# Altium PCB MOTHER_BOARD_LS1021_v1.0.PcbDoc (part 13 of 15) (continued)
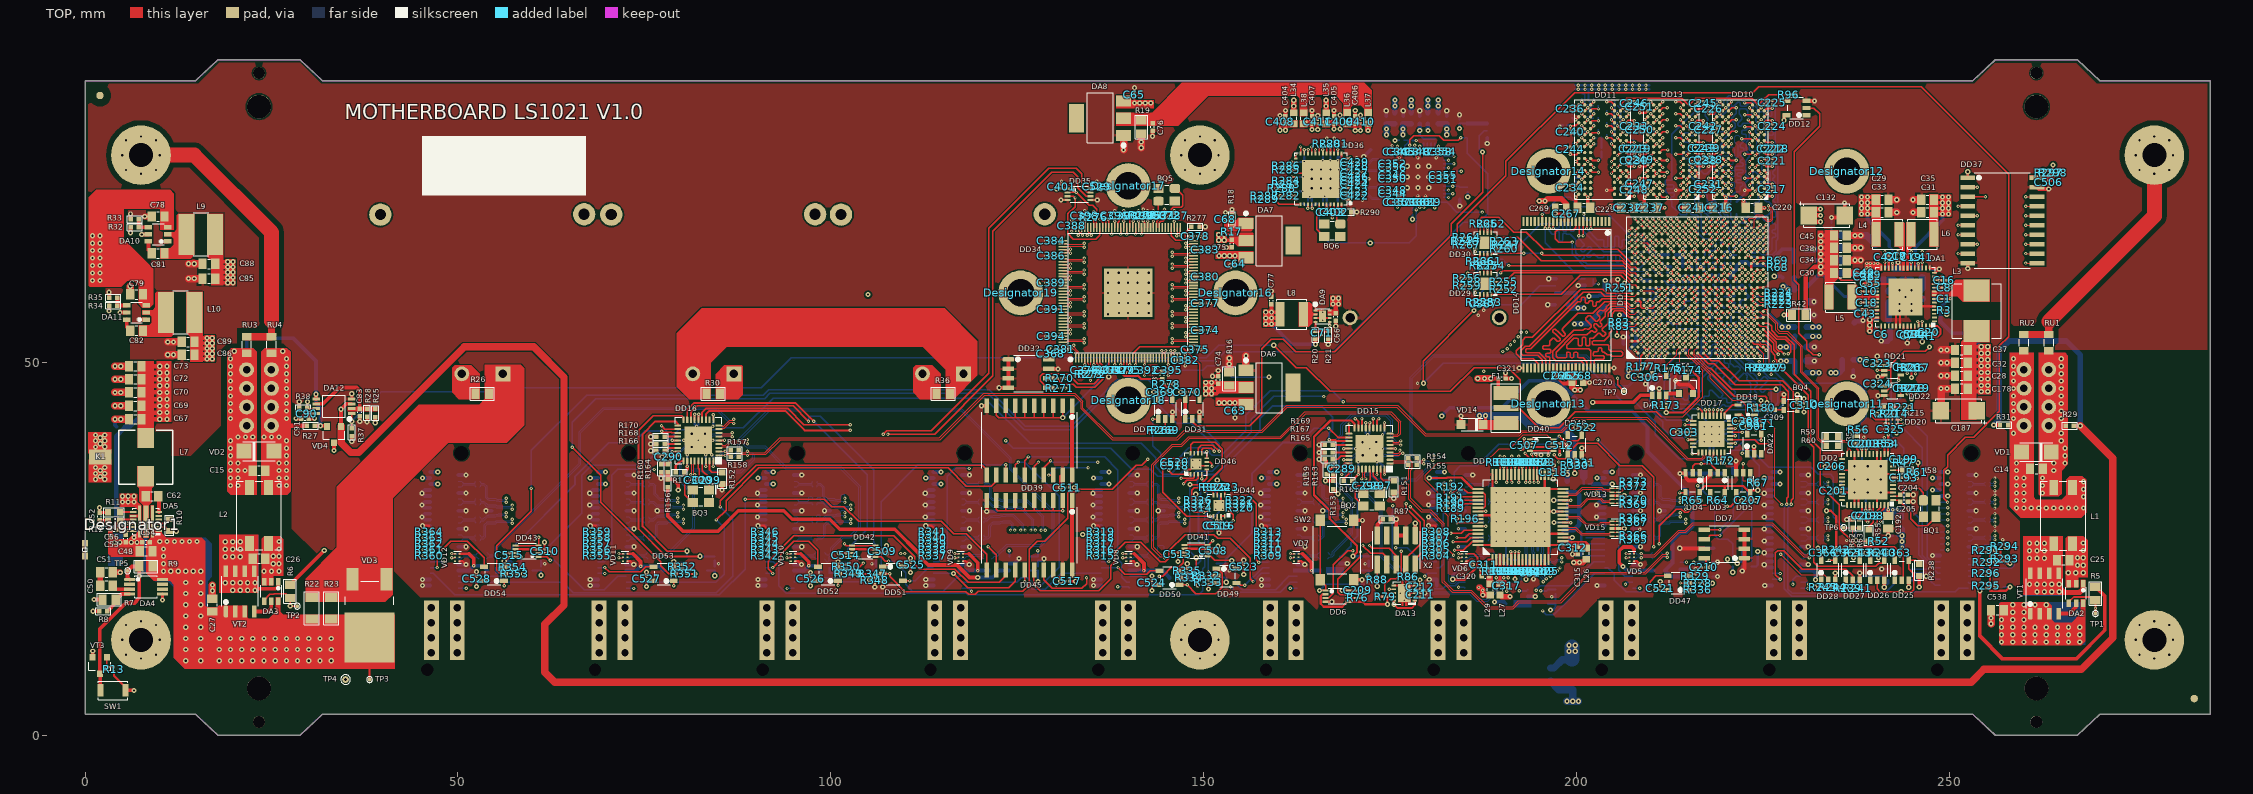
[diagram p0: TOP view]
## Nets (pads, with @x,y where several pads share a name; then routed paths per layer and width w, separated by ;. In a path a pad name is that pad's centre, name@x,y a point inside that pad or via, vN(x,y) a via of type N, cw(c..) or ccw(c..) an arc to the next point about the centre after c; other vN are vias at no path point) (continued)
PHY7_TXRX_D_P: C500.2 DD34.64 VD22.1 | length 104.5
  TOP w0.12: v1(145.775,63.2) 145.845,63.2 146.01,63.035 148.04,63.035 148.13,63.125 DD34.64@148.625,63.125
  SIGNAL2 w0.075: v1(80.25,28.415) 80.166,28.415 80.019,28.562 76.877,28.562 75.57,29.869 75.57,37.006 77.8,39.236 77.8,39.581 80.624,42.405 85.505,42.405 107.53,64.43 127.781,64.43 128.331,63.88 132.681,63.88 133.511,63.05 135.125,63.05 135.127,63.052 145.544,63.052 145.691,63.2 v1(145.775,63.2)
  BOTTOM w0.12: C500.2@75.55,26.1 75.635,26.185 75.635,26.32 75.705,26.39 76.376,26.39 76.596,26.61 ; 76.606,26.619 76.725,26.739 76.725,28.139 76.986,28.4 VD22.1@77.5,28.4 78.06,28.4 78.2,28.54 78.835,28.54 78.875,28.58 80.015,28.58 80.18,28.415 v1(80.25,28.415)
PHY8_TXRX_A_N: C485.2 DD34.66 VD23.6 | length 129.9
  TOP w0.12: v1(147.6,64) 147.67,64 147.835,63.835 148.04,63.835 148.13,63.925 DD34.66@148.625,63.925
  SIGNAL2 w0.075: v1(56.5,31.235) 56.416,31.235 56.269,31.382 55.968,31.382 55.645,31.705 55.645,32.445 60.039,36.839 60.114,36.914 66.303,36.914 88.845,59.456 88.845,59.613 88.371,60.088 88.371,60.457 88.84,60.926 89.209,60.926 90.421,59.714 90.579,59.714 90.898,60.033 90.898,60.191 89.686,61.403 89.686,61.772 90.155,62.241 90.524,62.241 91.736,61.029 91.894,61.029 92.214,61.349 92.214,61.506 91.001,62.719 91.001,63.087 91.47,63.557 91.839,63.557 93.052,62.344 93.209,62.344 93.529,62.664 93.529,62.821 92.316,64.034 92.316,64.403 92.786,64.872 93.154,64.872 94.367,63.659 94.524,63.659 94.844,63.979 94.844,64.136 94.369,64.611 94.369,64.98 94.994,65.605 130.905,65.605 131.117,65.817 132.768,65.817 133.861,64.725 134.45,64.725 135.323,63.852 147.369,63.852 147.516,64 v1(147.6,64)
  BOTTOM w0.12: C485.2@52.95,33.3 53.035,33.385 53.035,33.52 53.105,33.59 53.4,33.59 53.7,33.29 53.7,31.864 53.984,31.58 54.119,31.58 54.159,31.54 55.034,31.54 55.134,31.44 55.435,31.44 VD23.6@55.475,31.4 56.265,31.4 56.43,31.235 v1(56.5,31.235)
PHY8_TXRX_A_P: C501.2 DD34.65 VD23.5 | length 129.9
  TOP w0.12: v1(147.6,63.45) 147.67,63.45 147.835,63.615 148.04,63.615 148.13,63.525 DD34.65@148.625,63.525
  SIGNAL2 w0.075: v1(56.5,31.785) 56.416,31.785 56.269,31.637 56.073,31.637 55.9,31.811 55.9,32.339 56.38,32.819 56.512,32.952 56.724,33.164 56.83,33.164 56.936,33.058 57.042,33.058 57.201,33.217 57.201,33.323 57.096,33.429 57.096,33.535 57.255,33.694 57.361,33.694 57.466,33.589 57.572,33.589 57.731,33.748 57.731,33.854 57.626,33.959 57.626,34.065 59.668,36.107 60.22,36.659 66.409,36.659 89.1,59.35 89.1,59.719 88.626,60.194 88.626,60.351 88.945,60.671 89.103,60.671 90.316,59.459 90.684,59.459 91.153,59.928 91.153,60.296 89.941,61.509 89.941,61.667 90.261,61.986 90.418,61.986 91.631,60.774 91.999,60.774 92.469,61.243 92.469,61.612 91.256,62.824 91.256,62.982 91.576,63.302 91.733,63.302 92.946,62.089 93.315,62.089 93.784,62.558 93.784,62.927 92.571,64.14 92.571,64.297 92.891,64.617 93.049,64.617 94.261,63.404 94.63,63.404 95.099,63.873 95.099,64.242 94.624,64.717 94.624,64.874 95.1,65.35 131.011,65.35 131.223,65.562 132.663,65.562 133.755,64.47 134.344,64.47 135.217,63.597 147.369,63.597 147.516,63.45 v1(147.6,63.45)
  BOTTOM w0.12: C501.2@52.95,34.1 53.035,34.015 53.035,33.88 53.105,33.81 53.491,33.81 53.92,33.381 53.92,31.955 54.075,31.8 VD23.5@54.525,31.8 55.085,31.8 55.225,31.66 55.86,31.66 55.9,31.62 56.265,31.62 56.43,31.785 v1(56.5,31.785)
PHY8_TXRX_B_N: C486.2 DD34.67 VD23.4 | length 129.9
  TOP w0.12: v1(145.775,64.25) 145.845,64.25 146.01,64.415 148.04,64.415 148.13,64.325 DD34.67@148.625,64.325
  SIGNAL2 w0.075: v1(57.275,30.885) 57.191,30.885 57.044,30.737 55.838,30.737 55.075,31.501 55.075,33.064 55.424,33.413 55.556,33.546 55.768,33.758 55.875,33.758 55.98,33.652 56.086,33.652 56.245,33.812 56.245,33.918 56.14,34.023 56.14,34.129 56.299,34.288 56.405,34.288 56.51,34.183 56.616,34.183 56.775,34.342 56.775,34.448 56.67,34.553 56.67,34.659 57.643,35.632 60.555,38.545 61.611,39.6 65.6,39.6 81.313,55.313 81.313,55.682 80.823,56.173 80.823,56.33 81.143,56.65 81.3,56.65 82.544,55.406 82.913,55.406 83.382,55.875 83.382,56.244 82.138,57.488 82.138,57.645 82.458,57.965 82.615,57.965 83.86,56.721 84.228,56.721 84.697,57.19 84.697,57.559 83.453,58.803 83.453,58.961 83.773,59.28 83.931,59.28 85.175,58.036 85.543,58.036 86.013,58.505 86.013,58.874 85.522,59.365 85.522,59.522 92.675,66.675 128.461,66.675 128.651,66.865 131.71,66.865 132.205,66.37 134.269,66.37 136.242,64.397 145.544,64.397 145.691,64.25 v1(145.775,64.25)
  BOTTOM w0.12: C486.2@52.95,31.7 53.035,31.615 53.035,31.48 53.105,31.41 53.465,31.41 53.975,30.9 VD23.4@54.525,30.9 55.085,30.9 55.225,30.76 55.86,30.76 55.9,30.72 57.04,30.72 57.205,30.885 v1(57.275,30.885)
PHY8_TXRX_B_P: C502.2 DD34.68 VD23.7 | length 129.9
  TOP w0.12: v1(145.775,64.8) 145.845,64.8 146.01,64.635 148.04,64.635 148.13,64.725 DD34.68@148.625,64.725
  SIGNAL2 w0.075: v1(57.275,30.335) 57.191,30.335 57.044,30.482 55.733,30.482 54.82,31.395 54.82,33.17 55.243,33.593 55.376,33.726 55.588,33.938 55.959,34.309 56.119,34.469 56.49,34.84 57.462,35.812 60.375,38.725 61.505,39.855 65.494,39.855 81.058,55.419 81.058,55.576 80.568,56.067 80.568,56.436 81.037,56.905 81.406,56.905 82.65,55.661 82.807,55.661 83.127,55.981 83.127,56.138 81.883,57.382 81.883,57.751 82.352,58.22 82.721,58.22 83.965,56.976 84.123,56.976 84.442,57.296 84.442,57.453 83.198,58.697 83.198,59.066 83.668,59.535 84.036,59.535 85.28,58.291 85.438,58.291 85.758,58.611 85.758,58.768 85.267,59.259 85.267,59.628 92.569,66.93 128.355,66.93 128.545,67.12 131.816,67.12 132.311,66.625 134.375,66.625 136.348,64.652 145.544,64.652 145.691,64.8 v1(145.775,64.8)
  BOTTOM w0.12: C502.2@52.95,30.9 53.035,30.985 53.035,31.12 53.105,31.19 53.374,31.19 53.884,30.68 54.119,30.68 54.159,30.64 55.034,30.64 55.134,30.54 55.435,30.54 VD23.7@55.475,30.5 57.04,30.5 57.205,30.335 v1(57.275,30.335)
PHY8_TXRX_C_N: C487.2 DD34.71 VD23.2 | length 129.9
  TOP w0.12: v1(147.6,66) 147.67,66 147.835,65.835 148.04,65.835 148.13,65.925 DD34.71@148.625,65.925
  SIGNAL2 w0.075: v1(56.5,29.315) 56.416,29.315 56.269,29.462 55.702,29.462 53.87,31.294 53.87,33.995 54.162,34.287 54.295,34.42 54.507,34.632 54.878,35.003 55.037,35.162 55.408,35.533 56.275,36.4 61.862,41.987 64.301,41.987 74.816,52.502 75.185,52.502 75.662,52.025 75.819,52.025 76.139,52.345 76.139,52.502 74.922,53.719 74.922,54.088 75.392,54.557 75.76,54.557 76.977,53.34 77.135,53.34 77.454,53.66 77.454,53.818 76.238,55.034 76.238,55.403 76.707,55.872 77.076,55.872 78.292,54.656 78.45,54.656 78.77,54.976 78.77,55.133 78.293,55.61 78.293,55.978 90.194,67.88 131.053,67.88 131.453,68.28 134.67,68.28 137.495,65.455 144.706,65.455 145.104,65.852 147.369,65.852 147.516,66 v1(147.6,66)
  BOTTOM w0.12: C487.2@52.95,28.5 53.035,28.585 53.035,28.72 53.105,28.79 53.482,28.79 53.992,29.3 VD23.2@54.525,29.3 55.085,29.3 55.225,29.44 55.86,29.44 55.9,29.48 56.265,29.48 56.43,29.315 v1(56.5,29.315)
PHY8_TXRX_C_P: C503.2 DD34.70 VD23.8 | length 129.9
  TOP w0.12: v1(147.6,65.45) 147.67,65.45 147.835,65.615 148.04,65.615 148.13,65.525 DD34.70@148.625,65.525
  SIGNAL2 w0.075: v1(56.5,29.865) 56.416,29.865 56.269,29.717 55.808,29.717 54.125,31.4 54.125,33.889 54.343,34.107 54.475,34.239 54.687,34.452 54.793,34.452 54.899,34.346 55.005,34.346 55.164,34.505 55.164,34.611 55.058,34.717 55.058,34.823 55.218,34.982 55.324,34.982 55.429,34.876 55.535,34.876 55.694,35.036 55.694,35.142 55.589,35.247 55.589,35.353 56.455,36.22 61.968,41.732 64.407,41.732 74.922,52.247 75.079,52.247 75.556,51.77 75.925,51.77 76.394,52.239 76.394,52.608 75.177,53.825 75.177,53.982 75.497,54.302 75.655,54.302 76.872,53.085 77.24,53.085 77.709,53.555 77.709,53.923 76.493,55.14 76.493,55.298 76.813,55.617 76.97,55.617 78.187,54.401 78.555,54.401 79.025,54.87 79.025,55.239 78.548,55.715 78.548,55.873 90.3,67.625 131.159,67.625 131.559,68.025 134.564,68.025 137.389,65.2 144.812,65.2 145.209,65.597 147.369,65.597 147.516,65.45 v1(147.6,65.45)
  BOTTOM w0.12: C503.2@52.95,29.3 53.035,29.215 53.035,29.08 53.105,29.01 53.391,29.01 53.901,29.52 54.119,29.52 54.159,29.56 55.034,29.56 55.134,29.66 55.435,29.66 VD23.8@55.475,29.7 56.265,29.7 56.43,29.865 v1(56.5,29.865)
PHY8_TXRX_D_N: C488.2 DD34.73 VD23.9 | length 129.9
  TOP w0.12: DD34.73@146.875,68.075 146.875,67.58 146.785,67.49 146.785,67.21 146.95,67.045 v1(146.95,66.975)
  SIGNAL2 w0.075: v1(57.275,28.965) 57.191,28.965 57.044,28.817 54.058,28.817 53.175,29.7 53.175,34.875 53.362,35.062 53.494,35.194 53.706,35.407 53.813,35.407 53.919,35.3 54.025,35.3 54.184,35.46 54.184,35.566 54.078,35.672 54.078,35.778 55.7,37.4 90.175,71.875 129.339,71.875 131.777,69.437 134.277,69.437 137.789,65.925 144.623,65.925 144.998,66.3 146.575,66.3 146.802,66.527 146.802,66.744 146.95,66.891 v1(146.95,66.975)
  BOTTOM w0.12: C488.2@52.95,26.9 53.035,26.815 53.035,26.68 53.105,26.61 53.391,26.61 53.525,26.744 53.525,28.216 53.764,28.456 ; 53.778,28.469 53.929,28.62 54.119,28.62 54.159,28.66 55.034,28.66 55.134,28.76 55.435,28.76 VD23.9@55.475,28.8 57.04,28.8 57.205,28.965 v1(57.275,28.965)
PHY8_TXRX_D_P: C504.2 DD34.74 VD23.1 | length 129.9
  TOP w0.12: v1(146.4,66.975) 146.4,67.045 146.565,67.21 146.565,67.49 146.475,67.58 DD34.74@146.475,68.075
  SIGNAL2 w0.075: v1(57.275,28.415) 57.191,28.415 57.044,28.562 53.952,28.562 52.92,29.594 52.92,34.981 90.069,72.13 129.445,72.13 131.883,69.692 134.383,69.692 137.895,66.18 144.517,66.18 144.892,66.555 146.469,66.555 146.547,66.633 146.547,66.744 146.4,66.891 v1(146.4,66.975)
  BOTTOM w0.12: C504.2@52.95,26.1 53.035,26.185 53.035,26.32 53.105,26.39 53.482,26.39 53.745,26.653 53.745,28.125 54.02,28.4 VD23.1@54.525,28.4 55.085,28.4 55.225,28.54 55.86,28.54 55.9,28.58 57.04,28.58 57.205,28.415 v1(57.275,28.415)
PHY_RESET: DD4.4 DD17.27 DD24.43 DD33.1 DD36.42 DD44.1 DD46.1 R65.2 R336.2 | length 223.2
  TOP w0.196: v1(143.2,42.4) DD33.1@143.925,42.4 ; v1(145.332,35.527) 145.332,35.482 145.325,35.475 145.8,35 DD46.1@148.25,35 ; DD44.1@153.475,30.05 153.975,29.55 v1(153.975,28.8) ; v1(165.5,70.625) DD36.42@165.5,71.225 ; v1(213.875,32.5) DD4.4@214.625,32.5 214.625,32.15 R65.2@215.275,31.5 ; R336.2@216.55,19.5 217.425,19.5 v1(217.675,19.75) ; DD17.27@220.6,39.65 223.9,39.65 224.475,39.075 v1(225.95,39.075)
  SIGNAL1 w0.113: v1(201.225,32.375) 201.225,30.825 201.725,30.325 201.725,29.3 203.475,27.55 204.925,27.55 207.325,25.15 207.325,24.918 208.322,23.921 208.322,23.667 208.546,23.443 212.968,23.443 213.725,24.2 219.676,24.2 v2(220.269,23.607)
  SIGNAL2 w0.113: v1(143.2,42.4) 143.2,43.275 149.35,49.425 150.816,49.425 154.491,53.1 160.25,53.1 162.35,55.2 172.341,65.191 v2(172.341,66.025) ; v1(145.332,35.527) 145.332,33.718 147.832,31.218 147.832,29.793 149.225,28.4 153.05,28.4 153.45,28.8 v1(153.975,28.8) 154.007,28.768 163.857,28.768 164.675,27.95 169.325,27.95 172.558,31.183 175.892,31.183 176.325,30.75 176.325,30.475 175.025,29.175 175.025,24.733 176.333,23.425 184.375,23.425 186.375,25.425 195.975,25.425 198.4,27.85 198.4,29.55 v1(201.225,32.375) ; v1(217.675,19.75) 217.743,19.818 217.743,21.068 220.998,24.323 220.998,30.727 220.625,31.1 218.95,31.1 217.75,29.9 214.475,29.9 213.275,31.1 213.275,31.9 v1(213.875,32.5) 219.909,32.5 225.95,38.541 v1(225.95,39.075)
  BOTTOM w0.196: v1(143.2,42.4) 143.2,38.85 144.234,37.816 144.234,36.591 145.298,35.527 v1(145.332,35.527) ; v1(165.5,70.625) 165.5,67.35 166.825,66.025 v2(172.341,66.025) 177.575,66.025 178.548,66.998 178.548,70.402 v1(178.5,70.45) DD24.43@178.5,71.475
PORESET_B: DD1.G9 DD3.2 DD4.2 DD6.7 DD12.2 | length 163.1
  TOP w0.196: DD6.7@169.45,18.925 169.45,18.877 168.348,18.877 168.008,19.217 168.008,20.908 171.038,23.938 171.038,24.594 171.033,24.599 v1(171.033,24.626) ; v1(211.85,57.25) DD1.G9@212.25,57.65 ; DD4.2@215.575,35.2 215.575,36.1 215.902,36.427 v1(216.75,36.427) 217.923,36.427 218.925,35.425 DD3.2@218.925,35.2 ; DD12.2@230.85,84.125 231.85,84.125 232.6,83.375 232.6,81.675 229.2,78.275 229.2,61.025 229.825,60.4 229.825,53.95 230.9,52.875 230.9,51.85 231.725,51.025 v1(232.552,51.025)
  GND+PWR1 w0.113: v1(171.033,24.626) 173.86,24.626 179.625,30.391 179.625,35.15 180.35,35.875 180.35,42.439 186.329,48.418 188.046,48.418 193.3,53.673 v1(193.3,54.075) ; v1(211.85,57.25) 212.268,56.831 212.268,56.292 212.529,56.031 212.808,56.031 213.068,55.771 213.068,55.492 213.657,54.903 214.897,54.903 215.431,54.369 215.431,46.6 213.05,44.219 213.05,39.568 216.191,36.427 v1(216.75,36.427)
  SIGNAL2 w0.113: v1(193.3,54.075) 193.325,54.1 203.719,54.1 205.019,55.4 205.6,55.4 206.55,56.35 206.55,56.775 207.406,57.631 211.468,57.631 v1(211.85,57.25) ; v1(216.75,36.427) 216.75,36.775 217.725,37.75 218.5,37.75 220.45,39.7 220.45,42.525 225.075,47.15 227,47.15 230.875,51.025 v1(232.552,51.025)
POWER_OFF: DD1.D7 R13.1 VT3.1 | length 267.9
  TOP w0.196: VT3.1@2.925,10.45 2.925,9.2 v2(2.95,9.175) R13.1@3.875,9.175
  TOP w0.2: v1(209.45,55.65) DD1.D7@209.85,56.05
  SIGNAL1 w0.113: v2(2.95,9.175) 2.006,10.119 2.006,18.534 1.925,18.616 1.925,28.237 3.706,30.018 3.706,38.506 6.3,41.1 6.3,50.35 10.264,54.314 111.864,54.314 124.6,67.05 129.932,67.05 131.167,68.285 143.446,68.285 146.232,71.072 155.053,71.072 156.025,70.1 164.075,70.1 181.8,52.375 v1(191.15,52.375)
  SIGNAL2 w0.113: v1(191.15,52.375) 191.625,51.9 205.491,51.9 206.781,53.19 206.781,54.054 207.996,55.268 208.808,55.268 209.19,55.65 v1(209.45,55.65)
PPS_IN: DD27.2 R239.2 R241.2 X4.3 | length 19.1
  TOP w0.196: v1(227.32,20.905) 226.685,21.54 226.685,24.45 226.986,24.75 227.8,24.75 230.252,22.298 236.135,22.298 237.05,21.383 DD27.2@237.05,20.8 237.05,19.725 ; R239.2@236.7,19.725 237.05,19.725 ; R241.2@237.4,19.725 237.05,19.725
  BOTTOM w0.196: X4.3@226.275,20.9 227.315,20.9 v1(227.32,20.905)
PPS_OUT: DD28.4 R242.2 X4.5 | length 10.3
  TOP w0.196: v1(233.875,23.5) DD28.4@234.7,23.5 ; DD28.4@234.691,23.509 DD28.4@234.7,23.5 ; R242.2@234.85,24.6 234.85,23.65 DD28.4@234.7,23.5
  SIGNAL2 w0.113: v1(227.325,21.7) 232.075,21.7 v1(233.875,23.5)
  BOTTOM w0.196: X4.5@226.275,21.7 v1(227.325,21.7)
PTP_SYNC: DD1.AC5 DD34.21 DD45.2 DD45.3 DD45.4 DD45.5 DD45.6 DD45.7 DD45.8 DD45.9 | length 171.5
  TOP w0.196: DD45.9@122.205,31.475 122.205,30.295 122.4,30.1 123.475,30.1 ; DD45.8@123.475,31.475 123.475,30.1 ; DD45.7@124.745,31.475 124.745,30.1 ; DD45.6@126.015,31.475 126.015,30.1 ; DD45.5@127.285,31.475 127.285,30.1 ; DD45.4@128.555,31.475 128.555,30.1 ; DD45.3@129.825,31.475 129.825,30.1 ; DD45.2@131.095,31.475 131.1,31.47 v1(131.1,30.1) 129.825,30.1 ; v1(140.875,49.675) DD34.21@140.875,50.575 ; DD1.AC5@225.05,54.45 226.777,52.723 226.777,51.848 227.098,51.527 227.462,51.527 v1(227.861,51.127) ; 123.475,30.1 124.745,30.1 ; 124.745,30.1 126.015,30.1 ; 126.015,30.1 127.285,30.1 ; 127.285,30.1 128.555,30.1 ; 128.555,30.1 129.825,30.1
  SIGNAL2 w0.113: v1(140.875,49.675) 140.875,48.45 142.625,46.7 142.625,43.95 140.9,42.225 135.575,42.225 131.395,38.045 131.395,31.595 131.1,31.3 v1(131.1,30.1) 139.625,30.1 142.475,27.25 150.575,27.25 151.25,26.575 153.15,26.575 154.444,25.281 162.381,25.281 162.906,25.806 170.256,25.806 170.993,25.068 172.45,25.068 174.634,22.884 185.166,22.884 186.375,21.675 187.65,21.675 189.375,19.95 194,19.95 197.425,23.375 197.425,23.8 198.818,25.193 199.919,25.193 205.35,30.624 205.35,32.075 207.669,34.393 209.118,34.393 213.45,38.725 217.225,38.725 217.6,39.1 217.6,42.025 218.5,42.925 219.3,42.925 220.9,44.525 220.9,45.5 224.725,49.325 226.171,49.325 226.893,50.047 226.893,50.41 227.19,50.707 227.44,50.707 v1(227.861,51.127)
PVIN: C27.1 C46.1 C48.2 C54.2 C78.1 C79.1 C538.1 DA2.6 DA3.6 DA4.8 DA5.1 DA5.7 DA10.3 DA11.3 R7.1 R9.1 R22.1 R23.1 TP3.1 VD3.K VT1.1 VT1.2 VT1.3 VT2.1 VT2.2 VT2.3 X3.P1 X3.P2 X3.P3 X3.P4 X4.P1 X4.P2 X4.P3 X4.P4 X5.P1 X5.P2 X5.P3 X5.P4 X6.P1 X6.P2 X6.P3 X6.P4 X7.P1 X7.P2 X7.P3 X7.P4 X8.P1 X8.P2 X8.P3 X8.P4 X9.P1 X9.P2 X9.P3 X9.P4 X10.P1 X10.P2 X10.P3 X10.P4 X11.P1 X11.P2 X11.P3 X11.P4 X12.P1 X12.P2 X12.P3 X12.P4 | length 6.8
  TOP w0.3: TP3.1@38.15,7.475 VD3.K@38.15,13.1
  TOP w0.5: v2(1.2,18.2) R7.1@2.325,18.2
  other v2: 13.5,10 15.5,10 18,10 19.5,10 21,10 22.5,10 24,10 25.5,10 27,10 28.5,10 30,10 31.5,10 33,10 13.5,11.5 15.5,11.5 18,11.5 19.5,11.5 21,11.5 22.5,11.5 24,11.5 25.5,11.5 27,11.5 28.5,11.5 30,11.5 31.5,11.5 33,11.5 257,12.5 258.5,12.5 260,12.5 261.5,12.5 263,12.5 264.5,12.5 266,12.5 267.5,12.5 13.5,13 15.5,13 18,13 19.5,13 21,13 22.5,13 24,13 25.5,13 27,13 28.5,13 30,13 31.5,13 33,13 257,13.5 258.5,13.5 260,13.5 261.5,13.5 263,13.5 264.5,13.5 266,13.5 267.5,13.5 13.5,14.5 15.5,14.5 257,14.5 258.5,14.5 260,14.5 261.5,14.5 263,14.5 264.5,14.5 266,14.5 267.5,14.5 257,15.5 258.5,15.5 260,15.5 13.5,16 15.5,16 258.5,16.5 260,16.5 13.5,17.5 15.5,17.5 258.5,17.5 260,17.5 261.5,17.5 263,17.5 13.5,19 15.5,19 13.5,20.5 15.5,20.5 10.5,22 11.5,22 12.5,22 13.5,22 14.5,22 15.5,22 10.5,23 10.5,24 10.5,25 10,26 11,26 12,26 13,26 14,26 15,26 1,61 2,61 1,62 2,62 1,63 2,63 1,64 2,64 1,65 2,65 1,66 2,66 1,67 2,67
RX_CLK: DD1.V2 DD24.32 | length 59.5
  TOP w0.196: DD1.V2@221.05,52.05 v1(221.45,51.65)
  SIGNAL1 w0.113: v1(182.85,74.125) 183.625,74.125 184.856,72.894 184.856,70.119 184.973,70.002 185.082,69.893 185.227,69.893 185.435,70.102 185.58,70.102 185.798,69.884 185.798,69.739 185.517,69.458 185.236,69.177 185.236,69.032 185.453,68.814 185.599,68.814 185.88,69.095 186.161,69.376 186.306,69.376 186.523,69.159 186.523,69.014 186.242,68.733 185.961,68.452 185.961,68.307 186.179,68.089 186.324,68.089 186.605,68.37 186.886,68.651 187.031,68.651 187.249,68.433 187.249,68.288 186.968,68.007 186.687,67.726 186.687,67.581 186.904,67.363 187.05,67.363 187.331,67.644 187.538,67.852 187.683,67.852 187.901,67.634 187.901,67.489 187.766,67.354 187.766,67.209 188.313,66.663 198.622,56.353 204.97,56.353 205.476,55.846 206.321,55.846 206.506,56.031 216.519,56.031 217.068,55.482 217.068,53.892 217.329,53.631 217.608,53.631 217.868,53.371 217.868,53.092 218.892,52.068 219.171,52.068 219.441,51.799 219.441,51.52 219.71,51.25 219.989,51.25 220.231,51.008 220.231,50.729 220.492,50.468 220.808,50.468 221.068,50.729 221.068,51.008 221.414,51.354 221.414,51.614 v1(221.45,51.65)
  BOTTOM w0.196: DD24.32@182.15,74.125 v1(182.85,74.125)
RX_CTRL: DD1.AA2 DD24.38 | length 59.5
  TOP w0.196: DD1.AA2@223.45,52.05 v1(223.85,51.65)
  SIGNAL1 w0.113: v1(181,70.75) 181,67.275 189.7,58.575 191.325,58.575 196.725,53.175 203.475,53.175 203.775,52.875 205.725,52.875 206.5,52.1 208.306,52.1 208.375,52.031 215.208,52.031 215.431,51.808 215.431,51.5 215.816,51.116 217.174,49.758 217.319,49.758 217.527,49.965 217.672,49.965 217.889,49.748 217.889,49.603 217.609,49.322 217.329,49.042 217.329,48.897 217.547,48.679 217.692,48.679 217.899,48.887 218.044,48.887 218.153,48.778 218.257,48.675 222.325,48.675 224.231,50.581 224.231,51.268 v1(223.85,51.65)
  BOTTOM w0.196: v1(181,70.75) DD24.38@181,71.475
RX_D0: DD1.AA1 DD24.33 R230.1 R231.1 | length 61.6
  TOP w0.196: DD1.AA1@223.45,51.25 v1(223.85,50.85)
  SIGNAL1 w0.113: v1(183.4,73.625) 182.81,73.625 181.95,72.765 181.95,67.025 183.664,65.311 189.6,59.375 191.11,59.375 196.81,53.675 204.362,53.675 204.937,53.1 205.8,53.1 205.812,53.088 ; 205.813,53.088 206.07,52.831 215.208,52.831 215.431,52.608 215.431,52.329 215.692,52.068 216.157,52.068 219.075,49.15 222.15,49.15 v1(223.85,50.85)
  BOTTOM w0.196: DD24.33@182.15,73.625 v1(183.4,73.625) 184.2,73.625 R230.1@184.35,73.475 R231.1@185.425,73.475
RX_D1: DD1.Y2 DD24.34 | length 59.5
  TOP w0.196: DD1.Y2@222.65,52.05 v1(223.05,51.65)
  SIGNAL1 w0.113: v1(182.85,73.125) 183.675,73.125 184.05,72.75 184.05,71.475 183.775,71.2 183.775,69.775 186.396,67.154 186.396,66.82 186.505,66.711 186.65,66.711 186.825,66.887 186.97,66.887 187.188,66.669 187.188,66.524 186.94,66.276 186.692,66.028 186.692,65.883 186.91,65.666 187.055,65.666 187.303,65.913 187.551,66.161 187.696,66.161 187.913,65.943 187.913,65.798 187.666,65.551 187.418,65.303 187.418,65.158 187.636,64.94 187.781,64.94 188.028,65.188 188.276,65.436 188.421,65.436 188.639,65.218 188.639,65.073 188.391,64.825 188.143,64.577 188.143,64.432 188.361,64.215 188.506,64.215 188.681,64.39 188.827,64.39 189.008,64.208 189.042,64.208 195.643,57.607 195.643,57.432 197.35,55.725 203.9,55.725 204.11,55.515 207.06,55.515 207.307,55.268 215.582,55.268 216.5,54.35 216.5,53.55 217.219,52.831 217.608,52.831 218.25,52.19 218.25,51.91 218.929,51.231 219.208,51.231 219.468,50.971 219.468,50.692 219.905,50.255 221.395,50.255 221.868,50.729 221.868,51.008 222.129,51.268 222.408,51.268 222.754,51.614 223.014,51.614 v1(223.05,51.65)
  BOTTOM w0.196: DD24.34@182.15,73.125 v1(182.85,73.125)
RX_D2: DD1.Y1 DD24.35 | length 59.5
  TOP w0.196: DD1.Y1@222.65,51.25 v1(223.05,50.85)
  SIGNAL1 w0.113: v1(183.4,72.625) 182.775,72.625 182.468,72.318 182.468,67.157 188.75,60.875 190.241,60.875 190.816,60.3 191.325,60.3 191.434,60.191 191.579,60.191 191.691,60.304 191.837,60.304 192.054,60.086 192.054,59.941 191.869,59.756 191.641,59.528 191.641,59.383 191.859,59.165 192.004,59.165 192.232,59.393 192.417,59.578 192.562,59.578 192.78,59.361 192.78,59.216 192.595,59.03 192.367,58.803 192.367,58.657 192.584,58.44 192.729,58.44 192.885,58.595 193.03,58.595 193.05,58.575 197.575,54.05 205.134,54.05 205.215,54.131 206.894,54.131 207.394,53.631 215.208,53.631 215.431,53.408 215.431,53.129 215.729,52.831 216.008,52.831 216.631,52.208 216.631,51.929 217.292,51.268 217.648,51.268 219.316,49.601 222.101,49.601 223.034,50.534 223.034,50.834 v1(223.05,50.85)
  BOTTOM w0.196: DD24.35@182.15,72.625 v1(183.4,72.625)
RX_D3: DD1.W1 DD24.36 | length 59.5
  TOP w0.196: DD1.W1@221.85,51.25 v1(222.25,50.85)
  SIGNAL1 w0.113: v1(182.85,72.125) 182.85,69.3 182.975,69.175 183.084,69.066 183.229,69.066 183.437,69.275 183.582,69.275 183.8,69.057 183.8,68.912 183.519,68.631 183.238,68.35 183.238,68.205 183.456,67.987 183.601,67.987 183.882,68.268 184.163,68.549 184.308,68.549 184.526,68.331 184.526,68.186 184.245,67.905 183.964,67.624 183.964,67.479 184.181,67.262 184.326,67.262 184.607,67.543 184.888,67.824 185.033,67.824 185.251,67.606 185.251,67.461 185.043,67.252 185.043,67.107 185.333,66.817 185.375,66.775 185.375,66.519 185.469,66.425 185.469,66.099 185.375,66.006 184.978,66.006 184.875,65.903 184.875,65.595 184.978,65.493 185.272,65.493 185.375,65.39 185.375,65.1 185.484,64.991 185.629,64.991 185.681,65.043 185.826,65.043 186.044,64.825 186.044,64.68 185.992,64.628 185.992,64.483 186.187,64.288 187.2,63.275 188.1,63.275 188.75,62.625 189.839,62.625 197.827,54.637 208.213,54.637 208.4,54.45 215.989,54.45 216.231,54.208 216.231,53.129 217.329,52.031 217.608,52.031 218.547,51.093 218.547,50.814 219.435,49.925 221.85,49.925 222.25,50.325 v1(222.25,50.85)
  BOTTOM w0.196: DD24.36@182.15,72.125 v1(182.85,72.125)
S1VDD: C121.2 C128.2 C142.2 C155.2 C167.2 DD1.R11 DD1.R12 DD1.R13 L15.1 R212.2 | length 29.5
  TOP w0.3: DD1.R11@218.65,59.25 v1(219.05,58.85) ; DD1.R12@218.65,60.05 v1(219.05,59.65) ; DD1.R13@218.65,60.85 v1(219.05,61.25)
  GND+PWR2 w0.5: v1(219.05,58.85) 219.05,60.55 v1(219.05,61.25)
  GND+PWR2 w0.75: 219.05,60.55 224.6,60.55 226.874,60.55 227.349,61.025 229.1,61.025 229.625,60.5 229.625,58.075 228.85,57.3 228.85,55.175 v2(228.425,54.75) v2(227.575,54.75)
  BOTTOM w0.3: C167.2@218.3,60.45 218.675,60.075 C128.2@219.175,60.075 219.05,59.95 v1(219.05,59.65) ; C142.2@218.525,58.55 218.75,58.55 v1(219.05,58.85) ; C155.2@219.15,61.825 219.05,61.725 v1(219.05,61.25) 219.05,60.95 C121.2@219.175,60.825
  BOTTOM w0.5: R212.2@226,56.4 227.575,54.825 v2(227.575,54.75)
  BOTTOM w0.75: v2(227.575,54.75) v2(228.425,54.75) L15.1@229.3,54.75
SD1_REFCLK_N: DD1.AB8 R60.2 | length 23.2
  TOP w0.12: DD1.AB8@224.25,56.85 224.305,56.794 224.589,56.794 224.969,56.415 225.524,56.415 226.75,55.189 226.75,54.35 227.15,53.95 228.214,53.95 230.055,52.109 230.055,48.695 232.3,46.45 232.3,39.725 232.673,39.352 233.09,39.352 233.16,39.282 233.16,39.19 R60.2@233.5,38.85
SD1_REFCLK_P: DD1.AC8 R59.2 | length 22.8
  TOP w0.12: DD1.AC8@225.05,56.85 225.05,57 225.2,57.15 225.425,57.15 225.615,56.96 225.615,56.635 226.97,55.28 226.97,54.441 227.241,54.17 228.306,54.17 230.275,52.201 230.275,48.786 232.52,46.541 232.52,39.816 232.764,39.572 233.09,39.572 233.16,39.643 233.16,39.735 R59.2@233.5,40.075
SD1_RX2_N: C329.1 DD1.AB13 | length 52
  TOP w0.12: DD1.AB13@224.25,60.85 v1(224.65,61.25)
  SIGNAL2 w0.075: v1(224.65,61.25) 224.751,61.25 224.85,61.151 224.879,61.151 224.922,61.107 224.922,60.788 225.116,60.595 225.968,60.595 226.093,60.72 228.894,60.72 230.194,59.42 232.144,59.42 233.79,57.774 237.144,57.774 237.595,57.323 237.595,56.895 237.2,56.5 236.314,56.5 235.995,56.181 235.995,55.569 239.914,51.65 240.325,51.65 242.395,49.58 242.395,45.23 251.795,35.83 251.795,34.219 252.467,33.547 255.894,33.547 256.041,33.4 v1(256.125,33.4)
  BOTTOM w0.12: C329.1@255.4,33.4 255.425,33.4 255.515,33.49 255.515,33.495 255.585,33.565 255.871,33.565 256.036,33.4 v1(256.125,33.4)
SD1_RX2_P: C328.1 DD1.AC13 | length 52
  TOP w0.12: DD1.AC13@225.05,60.85 v1(225.45,61.25)
  SIGNAL2 w0.075: v1(225.45,61.25) 225.349,61.25 225.25,61.151 225.221,61.151 225.177,61.107 225.177,60.894 225.221,60.85 225.863,60.85 225.988,60.975 229,60.975 230.3,59.675 232.25,59.675 233.896,58.029 237.25,58.029 237.85,57.429 237.85,56.789 237.306,56.245 236.42,56.245 236.25,56.075 236.25,55.675 240.02,51.905 240.431,51.905 242.65,49.686 242.65,45.336 252.05,35.936 252.05,34.325 252.573,33.802 255.602,33.802 255.675,33.875 255.675,34.15 255.75,34.225 255.85,34.225 v1(256.125,33.95)
  BOTTOM w0.12: C328.1@255.4,33.95 255.425,33.95 255.515,33.86 255.515,33.855 255.585,33.785 255.871,33.785 256.036,33.95 v1(256.125,33.95)
SD1_RX3_N: C333.1 DD1.AB14 | length 63.3
  TOP w0.12: DD1.AB14@224.25,61.65 v1(224.65,62.05)
  SIGNAL2 w0.075: v1(224.65,62.05) 224.751,62.05 224.85,62.149 224.879,62.149 224.922,62.193 224.922,62.497 225.18,62.755 225.909,62.755 226.264,62.4 228.925,62.4 230.825,60.5 232.845,60.5 234.415,58.93 240.256,58.93 240.725,58.461 240.725,55.373 240.898,55.2 241.25,55.2 241.805,55.755 242.406,55.755 242.88,55.281 242.88,54.619 241.65,53.389 241.65,52.55 242.025,52.175 242.425,52.175 242.905,52.655 243.395,52.655 244.805,51.245 244.805,50.794 244.281,50.27 243.82,50.27 243.675,50.125 243.675,48.015 243.816,47.874 243.816,47.284 243.995,47.105 245.981,47.105 256.825,36.261 256.825,28.992 256.581,28.747 256.356,28.747 256.209,28.6 v1(256.125,28.6)
  BOTTOM w0.12: C333.1@255.4,28.6 255.425,28.6 255.515,28.69 255.515,28.695 255.585,28.765 255.871,28.765 256.036,28.6 v1(256.125,28.6)